# KiCad board omodri_laas.kicad_pcb (continued)
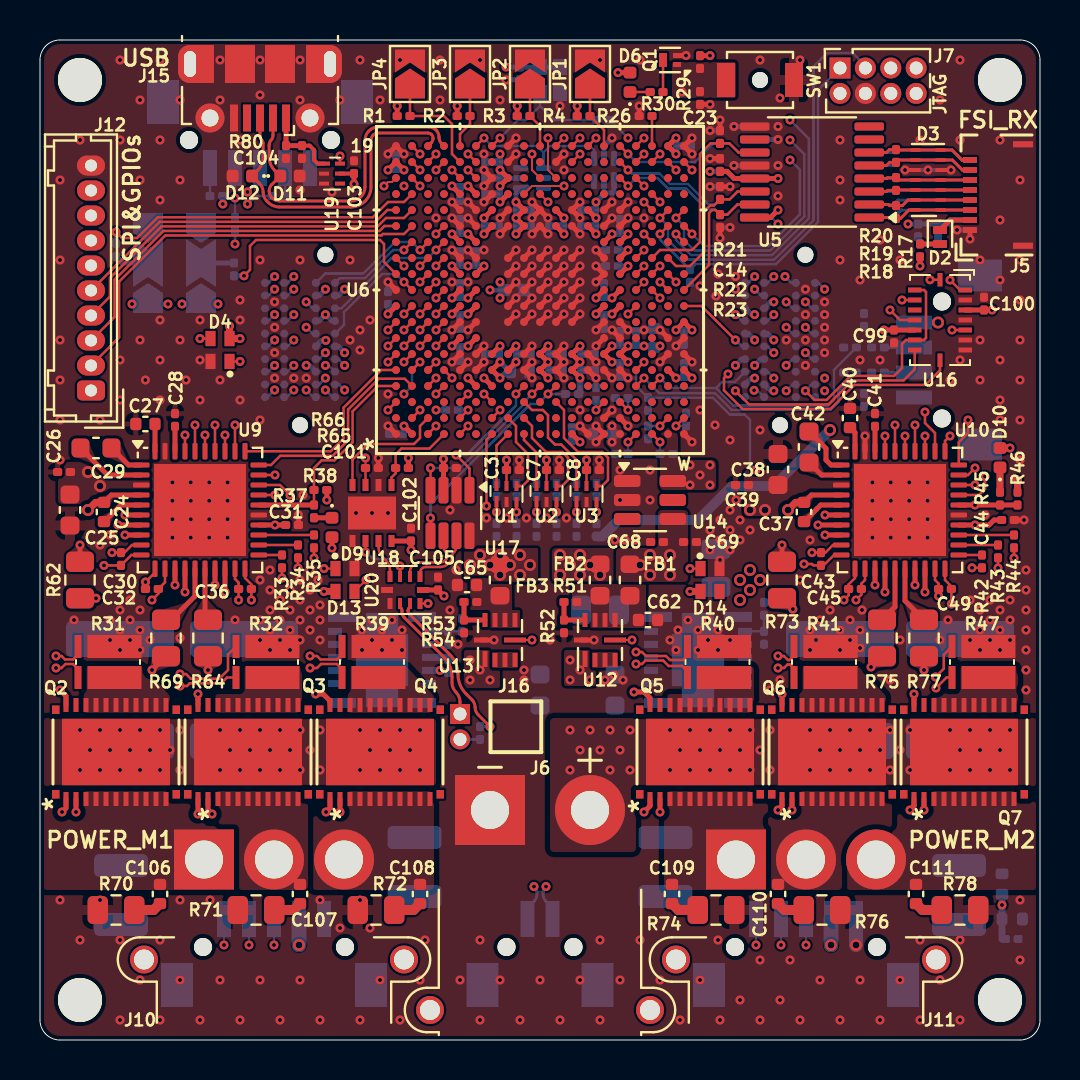
[diagram p0: board, top side]
## Library data of the parts (continued)
J16 = -: Description: Generic connector, single row, 01x02, script generated (kicad-library-utils/schlib/autogen/connector/); DigiKey: SAM12200-ND; Farnell: 3662449; LCSC: C6885801; Mouser: 200-TMS10202GSRA; Part No: TMS-102-02-G-S-RA; RS: 1982925; ki_fp_filters: Connector*:*_1x??_*
JP1-JP4 = -: Description: Solder Jumper, 2-pole, open; ki_fp_filters: SolderJumper*Open*
JP5 JP6 = -: Description: Solder Jumper, 3-pole, open; ki_fp_filters: SolderJumper*Open*
Q1 = -: Datasheet: https://assets.nexperia.com/documents/data-sheet/NX7002BKM.pdf; Description: 60 V, N-channel MOSFET in DFN1006-3 SMD package.; DigiKey: 1727-2232-1-ND; Farnell: 2498574; LCSC: C551611; Mouser: 771-NX7002BKMYL; Part No: NX7002BKMYL
Q2-Q7 = -: Datasheet: https://www.ti.com/lit/ds/symlink/csd88599q5dc.pdf; Description: 60V, 40A Half-Bridge FET Power Block; DigiKey: 296-48289-1-ND; LCSC: C2871380; Mouser: 595-CSD88599Q5DC; ki_fp_filters: DMM0022A
R1-R4 R14-R16 R21-R23 R26 R28 R29 R36 R38 R46 R48 R57 R59-R61 R65 R66 R79 = -: Description: Resistor; DigiKey: P122414CT-ND; Farnell: 2302362; LCSC: C9900024792; Mouser: 667-ERJ-1GNF1002C; Part No: ERJ-1GNF1002C; RS: 176-3597; ki_fp_filters: R_*
R5 R6 R27 R30 R33-R35 R42-R44 R55 R56 R63 = -: Description: Resistor; DigiKey: P122692CT-ND; Farnell: 2396857; Mouser: 667-ERJ-1GNF1200C; Part No: ERJ-1GNF1200C; ki_fp_filters: R_*
R7-R12 R17 R37 R45 = -: Description: Resistor; DigiKey: P122413CT-ND; Farnell: 2302336; LCSC: C717001; Mouser: 667-ERJ-1GNF1001C; Part No: ERJ-1GNF1001C; RS: 179-7127; ki_fp_filters: R_*
R13 R49 R51 R53 R54 R80 = -: Description: Resistor; DigiKey: P122655CT-ND; Farnell: 2302389; Mouser: 667-ERJ-1GNF1003C; Part No: ERJ-1GNF1003C; RS: 179-7130; ki_fp_filters: R_*
R18-R20 = -: Description: Resistor; DigiKey: P122654CT-ND; Farnell: 2302309; LCSC: C2075067; Mouser: 667-ERJ-1GNF1000C; Part No: ERJ-1GNF1000C; RS: 179-7123; ki_fp_filters: R_*
R24 = -: Description: Resistor; DigiKey: P100KLCT-ND; Farnell: 2302839; Mouser: 667-ERJ-2RKF1003X; Part No: ERJ-2RKF1003X; RS: 732-5255; Rated Voltage: 50; ki_fp_filters: R_*
R25 = -: Description: Resistor; DigiKey: P5.10KLCT-ND; Farnell: 2302709; LCSC: C278598; Mouser: 667-ERJ-2RKF5101X; Part No: ERJ-2RKF5101X; RS: 732-5536; Rated Voltage: 50; ki_fp_filters: R_*
R31 R32 R39-R41 R47 = -: Description: Shunt resistor; DigiKey: FC4L32R005FER-ND; Farnell: 2420555; Mouser: 588-FC4L32R005FER; Part No: FC4L32R005FER; RS: 126-0360; LCSC: C3971241; ki_fp_filters: R_*Shunt*
R50 = -: Description: Resistor; DigiKey: P122865TR-ND; Farnell: 3335222; LCSC: C4245245; Mouser: 667-ERJ-1GNF2491C; Part No: ERJ-1GNF2491C; ki_fp_filters: R_*
R52 = -: Description: Resistor; DigiKey: P122837CT-ND; Farnell: 3335196; LCSC: C4014639; Mouser: 667-ERJ-1GNF2212C; Part No: ERJ-1GNF2212C; ki_fp_filters: R_*
R58 = -: Description: Resistor; DigiKey: P123194TR-ND; Farnell: 3303125; LCSC: C2074977; Mouser: 667-ERJ-1GNF9090C; Part No: ERJ-1GNF9090C; ki_fp_filters: R_*
R62 R64 R69 R73 R75 R77 = -: Description: Resistor; DigiKey: 10-ERJ-P06J4R7VCT-ND; Farnell: 4014627; Mouser: 667-ERJ-P06J4R7V; Part No: ERJP06J4R7V; RS: 895-2580; ki_fp_filters: R_*
R67 R68 = -: Description: Resistor; DigiKey: P123219CT-ND; Farnell: 3303146; LCSC: C2073782; Mouser: 667-ERJ-1GNJ100C; Part No: ERJ1GNJ100C; ki_fp_filters: R_*
R70-R72 R74 R76 R78 = -: Description: Resistor; DigiKey: 10-ERJ-P06J2R2VCT-ND; Farnell: 1750718; Mouser: 667-ERJ-P06J2R2V; Part No: ERJP06J2R2V; ki_fp_filters: R_*
SW1 = -: Description: Push button switch, generic, two pins; DigiKey: SW1143TR-ND; Farnell: 1333654; LCSC: C231330; Mouser: 653-B3U-1000P-B
U1-U3 U19 = -: Datasheet: http://www.ti.com/lit/sg/scyt129e/scyt129e.pdf; Description: Dual Buffer, Schmitt Triggered, Low-Voltage CMOS; DigiKey: 296-34875-1-ND; LCSC: C2675856; Mouser: 595-SN74LVC2G17DRYR; Part No: SN74LVC2G17DRYR; ki_fp_filters: SG-* SOT*
U4 = -: Datasheet: https://www.ti.com/lit/ds/symlink/dslvds1047.pdf; Description: 3.3V LVDS Quad Channel High-Speed Differential Line Driver; DigiKey: 296-50740-1-ND; LCSC: C2671205; Mouser: 595-DSLVDS1047PWR; Part No: DSLVDS1047PWR; ki_fp_filters: PW0016A_N PW0016A_M PW0016A_L
U5 = -: Datasheet: https://www.ti.com/lit/ds/symlink/dslvds1048.pdf; Description: 3.3V LVDS Quad Channel High-Speed Differential Line Receiver; DigiKey: 296-51106-1-ND; LCSC: C2671655; Mouser: 595-DSLVDS1048PWR; Part No: DSLVDS1048PWR; ki_fp_filters: PW0016A_N PW0016A_M PW0016A_L
U6 = -: Datasheet: https://www.ti.com/lit/ds/symlink/tms320f28388d.pdf; Description: C2000™ 32-bit MCU with connectivity manager, 2x C28x+CLA CPU, 1.5-MB flash, FPU64, CLB, ENET, EtherCAT; DigiKey: 296-F28388DZWTS-ND; LCSC: C2879671; Mouser: 595-F28388DZWTS; Part No: F28388DZWTS; ki_fp_filters: BGA_DZWTS_TEX
U7 = -: Datasheet: https://www.ti.com/lit/ds/symlink/tps3703.pdf; Description: High Accuracy Overvoltage and Undervoltage Reset IC With Time Delay and Manual Reset; DigiKey: 296-TPS3703A7330DSERQ1CT-ND; LCSC: C1849519; Mouser: 595-S3703A7330DSERQ1; Part No: TPS3703A7330DSERQ1
U8 = -: Datasheet: https://www.ti.com/lit/ds/symlink/tps3703.pdf; Description: High Accuracy Overvoltage and Undervoltage Reset IC With Time Delay and Manual Reset; DigiKey: 296-TPS3703A7120DSERQ1CT-ND; LCSC: C1849508; Mouser: 595-S3703A7120DSERQ1; Part No: TPS3703A7120DSERQ1
U9 U10 = -: Datasheet: https://www.ti.com/lit/ds/symlink/drv8353.pdf; Description: Three-Phase Smart Gate Driver; DigiKey: 296-DRV8353SRTATCT-ND; Mouser: 595-DRV8353SRTAR; Part No: DRV8353SRTAR
U11 = -: Datasheet: https://www.ti.com/lit/ds/symlink/tpsm5601r5.pdf; DigiKey: 296-TPSM5601R5SRDARCT-ND; Mouser: 595-TPSM5601R5SRDAR; Part No: TPSM5601R5SRDAR
U12 U13 = -: Datasheet: https://www.monolithicpower.com/en/documentview/productdocument/index/version/2/document_type/Datasheet/lang/en/sku/MPM3804GG/document_id/2122/; Description: 2.3V to 5.5V, 0.6A, Step-Down Converter /w Integrated Inductor in Ultra-Small 2x2x0.9mm QFN Package; DigiKey: 1589-1982-1-ND; Farnell: 3358188; LCSC: C5799646; Mouser: 946-MPM3804GG-Z
U14 = -: Datasheet: https://www.analog.com/media/en/technical-documentation/data-sheets/lt6654.pdf; Description: Precision voltage reference, 10mA output, 3.5V to 36V input, 10ppm/C drift, 3.0V output, SOT23-6; DigiKey: LT6654AIS6-3#TRMPBFCT-ND; Farnell: 2761957; LCSC: C673261; Mouser: 584-6654AIS63TRMPBF; Part No: LT6654AIS6-3#TRMPBF; ki_fp_filters: MSOP*3x3mm*P0.65mm*
U15 = -: Datasheet: https://www.ti.com/lit/ds/symlink/tpsm560r6h.pdf; DigiKey: 296-TPSM560R6HRDARCT-ND; Mouser: 595-TPSM560R6HRDAR; Part No: TPSM560R6HRDAR
U16 = -: Datasheet: https://www.bosch-sensortec.com/media/boschsensortec/downloads/datasheets/bst-bmi088-ds001.pdf; DigiKey: 828-1082-2-ND; LCSC: C194919; Mouser: 262-BMI088
U17 = -: Datasheet: https://www.ti.com/lit/ds/symlink/tcan3414.pdf; Description: High-Speed CAN Transceiver with CAN FD, 8Mbps, 3.3V supply, standby mode, shutdown mode, SOT-23-8/SOIC-8; DigiKey: 296-TCAN3414DDFRCT-ND; Part No: TCAN3414DDFR; Mouser: 595-TCAN3414DDFR; ki_fp_filters: *TSOT?23* *SOIC*3.9x4.9mm*P1.27mm*
U18 = -: Datasheet: https://www.ti.com/lit/ds/symlink/thvd2450.pdf; Description: ±70-V Fault-Protected, 3.3-V to 5-V supply, RS-485 Transceivers With IEC ESD; DigiKey: 296-THVD2450DRBRTR-ND; LCSC: C2878080; Mouser: 595-THVD2450DRBR; Part No: THVD2450DRBR
U20 = -: Datasheet: https://www.ti.com/lit/ds/symlink/ts3usb221.pdf; Description: High-Speed USB 2.0 (480 Mbps) 1:2 Multiplexer/Demultiplexer Switch With Single Enable; DigiKey: 296-25222-1-ND; Farnell: 3124910; LCSC: C129313; Mouser: 595-TS3USB221ERSER; Part No: TS3USB221ERSER; RS: 817-5575
X1 = -: Datasheet: https://ecsxtal.com/store/pdf/ECS-TXO-2016.pdf; Description: TCXO Oscillators 25MHz, 3.3V, HCMOS, 2.5ppm, in 2.0 x 1.6 x 0.9mm ceramic package; DigiKey: XC3163TR-ND; Farnell: 4059413; LCSC: C2451474; Mouser: 520-TXO-2016-33-250T; Part No: ECS-TXO-2016-33-250-TR

## Footprints (pads in the part's own frame, mm; a bottom-side part is the same pattern mirrored in y, then rotated)
ADF6-10-XX.X-XXX-4-X-A-XR
  round 0.8 hole 0.8 unplated: (-4.26,0) (4.26,1.27)
  round 0.4 smd: A01(2.857,-1.75) A02(2.223,-1.75) A03(1.587,-1.75) A04(0.953,-1.75) A05(0.318,-1.75) A06(-0.318,-1.75) A07(-0.953,-1.75) A08(-1.587,-1.75) A09(-2.223,-1.75) A10(-2.857,-1.75) B01(2.857,-0.79) B02(2.223,-0.79) B03(1.587,-0.79) B04(0.953,-0.79) B05(0.318,-0.79) B06(-0.318,-0.79) B07(-0.953,-0.79) B08(-1.587,-0.79) B09(-2.223,-0.79) B10(-2.857,-0.79) C01(2.857,0.79) C02(2.223,0.79) C03(1.587,0.79) C04(0.953,0.79) C05(0.318,0.79) C06(-0.318,0.79) C07(-0.953,0.79) C08(-1.587,0.79) C09(-2.223,0.79) C10(-2.857,0.79) D01(2.857,1.75) D02(2.223,1.75) D03(1.587,1.75) D04(0.953,1.75) D05(0.318,1.75) D06(-0.318,1.75) D07(-0.953,1.75) D08(-1.587,1.75) D09(-2.223,1.75) D10(-2.857,1.75)
AMASS_MR30PW-FB_1x03_P3.50mm_Horizontal
  round 1.4 hole 1: (-6.5,5) (6.5,5)
  rect 3x3 hole 1.9: 1(3.5,0)
  round 3 hole 1.9: 2(0,0) 3(-3.5,0)
AMASS_XT30PW-M_1x02_P2.50mm_Horizontal
  round 1.4 hole 1: (-5.5,10) (5.5,10)
  rect 3.5x3.5 hole 1.9: 1(2.5,0)
  round 3.5 hole 1.9: 2(-2.5,0)
B3QFN_15
  rect 1.4x0.5 smd: 1(-2,2.145) 7(-2,-2.155) 8(2,-2.155) 14(2,2.145)
  rect 0.7x0.35 smd: 2(-2.35,1.17) 3(-2.35,0.52) 4(-2.35,-0.13) 5(-2.35,-0.78) 6(-2.35,-1.43) 9(2.35,-1.43) 10(2.35,-0.78) 11(2.35,-0.13) 12(2.35,0.52) 13(2.35,1.17)
  custom 2.62x4.72 smd: 15(0,0)
Bosch_LGA-16_4.5x3.0mm_P0.5mm
  rect 0.675x0.25 smd: 1(1.262,1.5) 2(1.262,1) 3(1.262,0.5) 4(1.262,0) 5(1.262,-0.5) 6(1.262,-1) 7(1.262,-1.5) 9(-1.262,-1.5) 10(-1.262,-1) 11(-1.262,-0.5) 12(-1.262,0) 13(-1.262,0.5) 14(-1.262,1) 15(-1.262,1.5)
  rect 0.25x0.675 smd: 8(0,-2.013) 16(0,2.013)
C_0201_0603Metric
  rrect 0.318x0.36 smd: (-0.345,0) (0.345,0)
  rrect 0.46x0.4 smd: 1(-0.32,0) 2(0.32,0)
C_0402_1005Metric
  rrect 0.56x0.62 smd: 1(-0.48,0) 2(0.48,0)
C_0603_1608Metric
  rrect 0.9x0.95 smd: 1(-0.775,0) 2(0.775,0)
C_0805_2012Metric
  rrect 1x1.45 smd: 1(-0.95,0) 2(0.95,0)
C_1210_3225Metric
  rrect 1.15x2.7 smd: 1(-1.475,0) 2(1.475,0)
C_2220_5750Metric
  rrect 1.8x5.4 smd: 1(-2.55,0) 2(2.55,0)
D_0201_0603Metric
  rrect 0.318x0.36 smd: (-0.345,0) (0.345,0)
  rrect 0.46x0.4 smd: 1(-0.32,0) 2(0.32,0)
D_0402_1005Metric
  rrect 0.59x0.64 smd: 1(-0.485,0) 2(0.485,0)
D_SOD-882
  rrect 0.3x0.6 smd: (-0.35,0) (0.35,0)
  rrect 0.4x0.7 smd: 1(-0.35,0) 2(0.35,0)
Diodes_DFN1006-3
  rect 0.4x0.25 smd: 1(-0.35,0.225) 2(-0.35,-0.225)
  rect 0.4x0.7 smd: 3(0.35,0)
FC4L32
  rect 1.15x2.7 smd: 1(-0.775,-0.325) 4(0.775,-0.325)
  rect 1.15x0.35 smd: 2(-0.775,1.5) 3(0.775,1.5)
Hirose_DF13-10P-1.25DSA_1x10_P1.25mm_Vertical
  rrect 1x1.4 hole 0.6: 1(0,0)
  oval 1x1.4 hole 0.6: 2(1.25,0) 3(2.5,0) 4(3.75,0) 5(5,0) 6(6.25,0) 7(7.5,0) 8(8.75,0) 9(10,0) 10(11.25,0)
Hirose_DF13_02P-1.25H_1x02_P1.25mm_Right_angle
  round 0.9 hole 0.9 unplated: (-1.675,-1.9) (1.675,-1.9)
  rect 0.7x1.8 smd: 1(-0.625,-3.3) 2(0.625,-3.3)
  rect 1.6x2.2 smd: MP1(-2.875,0) MP2(2.875,0)
Hirose_DF13_04P-1.25H_1x04_P1.25mm_Right_angle
  round 0.9 hole 0.9 unplated: (-2.925,-1.9) (2.925,-1.9)
  rect 0.7x1.8 smd: 1(-1.875,-3.3) 2(-0.625,-3.3) 3(0.625,-3.3) 4(1.875,-3.3)
  rect 1.6x2.2 smd: MP1(-4.225,0) MP2(4.225,0)
Hirose_DF13_05P-1.25H_1x05_P1.25mm_Right_angle
  round 0.9 hole 0.9 unplated: (-3.55,-1.9) (3.55,-1.9)
  rect 0.7x1.8 smd: 1(-2.5,-3.3) 2(-1.25,-3.3) 3(0,-3.3) 4(1.25,-3.3) 5(2.5,-3.3)
  rect 1.6x2.2 smd: MP1(-4.85,0) MP2(4.85,0)
L_0603_1608Metric
  rrect 0.875x0.95 smd: 1(-0.787,0) 2(0.787,0)
LED_0402_1005Metric
  rrect 0.59x0.64 smd: 1(-0.485,0) 2(0.485,0)
Molex_FBH1_1x08-2MP_P0.50mm_Horizontal
  rect 0.3x0.7 smd: 1(-1.75,3.3) 2(-1.25,3.3) 3(-0.75,3.3) 4(-0.25,3.3) 5(0.25,3.3) 6(0.75,3.3) 7(1.25,3.3) 8(1.75,3.3)
  rect 0.3x1 smd: MP1(-2.54,0.65) MP2(2.54,0.65)
MountingHole_2.2mm_M2
  round 2.2 hole 2.2 unplated: (0,0)
NeoPixel_SK6805_1.5x1.5mm
  rect 0.762x0.508 smd: 1(-0.572,-0.475) 2(0.572,-0.475) 3(0.572,0.475) 4(-0.572,0.475)
NFBGA_337
  round 0.4 smd: A1(-7.2,7.2) A2(-6.4,7.2) A3(-5.6,7.2) A4(-4.8,7.2) A5(-4,7.2) A6(-3.2,7.2) A7(-2.4,7.2) A8(-1.6,7.2) A9(-0.8,7.2) A10(0,7.2) A11(0.8,7.2) A12(1.6,7.2) A13(2.4,7.2) A14(3.2,7.2) A15(4,7.2) A16(4.8,7.2) A17(5.6,7.2) A18(6.4,7.2) A19(7.2,7.2) B1(-7.2,6.4) B2(-6.4,6.4) B3(-5.6,6.4) B4(-4.8,6.4) B5(-4,6.4) B6(-3.2,6.4) B7(-2.4,6.4) B8(-1.6,6.4) B9(-0.8,6.4) B10(0,6.4) B11(0.8,6.4) B12(1.6,6.4) B13(2.4,6.4) B14(3.2,6.4) B15(4,6.4) B16(4.8,6.4) B17(5.6,6.4) B18(6.4,6.4) B19(7.2,6.4) C1(-7.2,5.6) C2(-6.4,5.6) C3(-5.6,5.6) C4(-4.8,5.6) C5(-4,5.6) C6(-3.2,5.6) C7(-2.4,5.6) C8(-1.6,5.6) C9(-0.8,5.6) C10(0,5.6) C11(0.8,5.6) C12(1.6,5.6) C13(2.4,5.6) C14(3.2,5.6) C15(4,5.6) C16(4.8,5.6) C17(5.6,5.6) C18(6.4,5.6) C19(7.2,5.6) D1(-7.2,4.8) D2(-6.4,4.8) D3(-5.6,4.8) D4(-4.8,4.8) D5(-4,4.8) D6(-3.2,4.8) D7(-2.4,4.8) D8(-1.6,4.8) D9(-0.8,4.8) D10(0,4.8) D11(0.8,4.8) D12(1.6,4.8) D13(2.4,4.8) D14(3.2,4.8) D15(4,4.8) D16(4.8,4.8) D17(5.6,4.8) D18(6.4,4.8) D19(7.2,4.8) E1(-7.2,4) E2(-6.4,4) E3(-5.6,4) E4(-4.8,4) E5(-4,4) E6(-3.2,4) E7(-2.4,4) E8(-1.6,4) E9(-0.8,4) E10(0,4) E11(0.8,4) E12(1.6,4) E13(2.4,4) E14(3.2,4) E15(4,4) E16(4.8,4) E17(5.6,4) E18(6.4,4) E19(7.2,4) F1(-7.2,3.2) F2(-6.4,3.2) F3(-5.6,3.2) F4(-4.8,3.2) F5(-4,3.2) F6(-3.2,3.2) F7(-2.4,3.2) F8(-1.6,3.2) F9(-0.8,3.2) F10(0,3.2) F11(0.8,3.2) F12(1.6,3.2) F13(2.4,3.2) F14(3.2,3.2) F15(4,3.2) F16(4.8,3.2) F17(5.6,3.2) F18(6.4,3.2) F19(7.2,3.2) G1(-7.2,2.4) G2(-6.4,2.4) G3(-5.6,2.4) G4(-4.8,2.4) G5(-4,2.4) G6(-3.2,2.4) G14(3.2,2.4) G15(4,2.4) G16(4.8,2.4) G17(5.6,2.4) G18(6.4,2.4) G19(7.2,2.4) H1(-7.2,1.6) H2(-6.4,1.6) H3(-5.6,1.6) H4(-4.8,1.6) H5(-4,1.6) H6(-3.2,1.6) H8(-1.6,1.6) H9(-0.8,1.6) H10(0,1.6) H11(0.8,1.6) H12(1.6,1.6) H14(3.2,1.6) H15(4,1.6) H16(4.8,1.6) H17(5.6,1.6) H18(6.4,1.6) H19(7.2,1.6) J1(-7.2,0.8) J2(-6.4,0.8) J3(-5.6,0.8) J4(-4.8,0.8) J5(-4,0.8) J6(-3.2,0.8) J8(-1.6,0.8) J9(-0.8,0.8) J10(0,0.8) J11(0.8,0.8) J12(1.6,0.8) J14(3.2,0.8) J15(4,0.8) J16(4.8,0.8) J17(5.6,0.8) J18(6.4,0.8) J19(7.2,0.8) K1(-7.2,0) K2(-6.4,0) K3(-5.6,0) K4(-4.8,0) K5(-4,0) K6(-3.2,0) K8(-1.6,0) K9(-0.8,0) K10(0,0) K11(0.8,0) K12(1.6,0) K14(3.2,0) K15(4,0) K16(4.8,0) K17(5.6,0) K18(6.4,0) K19(7.2,0) L1(-7.2,-0.8) L2(-6.4,-0.8) L3(-5.6,-0.8) L4(-4.8,-0.8) L5(-4,-0.8) L6(-3.2,-0.8) L8(-1.6,-0.8) L9(-0.8,-0.8) L10(0,-0.8) L11(0.8,-0.8) L12(1.6,-0.8) L14(3.2,-0.8) L15(4,-0.8) L16(4.8,-0.8) L17(5.6,-0.8) L18(6.4,-0.8) L19(7.2,-0.8) M1(-7.2,-1.6) M2(-6.4,-1.6) M3(-5.6,-1.6) M4(-4.8,-1.6) M5(-4,-1.6) M6(-3.2,-1.6) M8(-1.6,-1.6) M9(-0.8,-1.6) M10(0,-1.6) M11(0.8,-1.6) M12(1.6,-1.6) M14(3.2,-1.6) M15(4,-1.6) M16(4.8,-1.6) M17(5.6,-1.6) M18(6.4,-1.6) M19(7.2,-1.6) N1(-7.2,-2.4) N2(-6.4,-2.4) N3(-5.6,-2.4) N4(-4.8,-2.4) N5(-4,-2.4) N6(-3.2,-2.4) N14(3.2,-2.4) N15(4,-2.4) N16(4.8,-2.4) N17(5.6,-2.4) N18(6.4,-2.4) N19(7.2,-2.4) P1(-7.2,-3.2) P2(-6.4,-3.2) P3(-5.6,-3.2) P4(-4.8,-3.2) P5(-4,-3.2) P6(-3.2,-3.2) P7(-2.4,-3.2) P8(-1.6,-3.2) P9(-0.8,-3.2) P10(0,-3.2) P11(0.8,-3.2) P12(1.6,-3.2) P13(2.4,-3.2) P14(3.2,-3.2) P15(4,-3.2) P16(4.8,-3.2) P17(5.6,-3.2) P18(6.4,-3.2) P19(7.2,-3.2) R1(-7.2,-4) R2(-6.4,-4) R3(-5.6,-4) R4(-4.8,-4) R5(-4,-4) R6(-3.2,-4) R7(-2.4,-4) R8(-1.6,-4) R9(-0.8,-4) R10(0,-4) R11(0.8,-4) R12(1.6,-4) R13(2.4,-4) R14(3.2,-4) R15(4,-4) R16(4.8,-4) R17(5.6,-4) R18(6.4,-4) R19(7.2,-4) T1(-7.2,-4.8) T2(-6.4,-4.8) T3(-5.6,-4.8) T4(-4.8,-4.8) T5(-4,-4.8) T6(-3.2,-4.8) T7(-2.4,-4.8) T8(-1.6,-4.8) T9(-0.8,-4.8) T10(0,-4.8) T11(0.8,-4.8) T12(1.6,-4.8) T13(2.4,-4.8) T14(3.2,-4.8) T15(4,-4.8) T16(4.8,-4.8) T17(5.6,-4.8) T18(6.4,-4.8) T19(7.2,-4.8) U1(-7.2,-5.6) U2(-6.4,-5.6) U3(-5.6,-5.6) U4(-4.8,-5.6) U5(-4,-5.6) U6(-3.2,-5.6) U7(-2.4,-5.6) U8(-1.6,-5.6) U9(-0.8,-5.6) U10(0,-5.6) U11(0.8,-5.6) U12(1.6,-5.6) U13(2.4,-5.6) U14(3.2,-5.6) U15(4,-5.6) U16(4.8,-5.6) U17(5.6,-5.6) U18(6.4,-5.6) U19(7.2,-5.6) V1(-7.2,-6.4) V2(-6.4,-6.4) V3(-5.6,-6.4) V4(-4.8,-6.4) V5(-4,-6.4) V6(-3.2,-6.4) V7(-2.4,-6.4) V8(-1.6,-6.4) V9(-0.8,-6.4) V10(0,-6.4) V11(0.8,-6.4) V12(1.6,-6.4) V13(2.4,-6.4) V14(3.2,-6.4) V15(4,-6.4) V16(4.8,-6.4) V17(5.6,-6.4) V18(6.4,-6.4) V19(7.2,-6.4) W1(-7.2,-7.2) W2(-6.4,-7.2) W3(-5.6,-7.2) W4(-4.8,-7.2) W5(-4,-7.2) W6(-3.2,-7.2) W7(-2.4,-7.2) W8(-1.6,-7.2) W9(-0.8,-7.2) W10(0,-7.2) W11(0.8,-7.2) W12(1.6,-7.2) W13(2.4,-7.2) W14(3.2,-7.2) W15(4,-7.2) W16(4.8,-7.2) W17(5.6,-7.2) W18(6.4,-7.2) W19(7.2,-7.2)
PinSocket_2x04_P1.27mm_Vertical
  rect 1.05x1.05 hole 0.65: 1(0,0)
  oval 1.05x1.05 hole 0.65: 2(-1.27,0) 3(0,-1.27) 4(-1.27,-1.27) 5(0,-2.54) 6(-1.27,-2.54) 7(0,-3.81) 8(-1.27,-3.81)
QFN-10_2x2mm_P0.5mm
  rect 0.8x0.25 smd: 1(-0.95,0.75)
  rect 0.7x0.25 smd: 2(-1,0.25) 3(-1,-0.25) 4(-1,-0.75) 6(1,-0.75) 7(1,-0.25) 8(1,0.25) 9(1,0.75)
  rect 0.25x1.1 smd: 5(0,-0.75)
  rect 0.25x0.7 smd: 10(0,0.95)
QFN-40-1EP_6x6mm_P0.5mm_EP4.6x4.6mm
  rrect 0.93x0.93 smd: (-1.725,1.725) (-1.725,0.575) (-1.725,-0.575) (-1.725,-1.725) (-0.575,1.725) (-0.575,0.575) (-0.575,-0.575) (-0.575,-1.725) (0.575,1.725) (0.575,0.575) (0.575,-0.575) (0.575,-1.725) (1.725,1.725) (1.725,0.575) (1.725,-0.575) (1.725,-1.725)
  rrect 0.825x0.25 smd: 1(-2.938,2.25) 2(-2.938,1.75) 3(-2.938,1.25) 4(-2.938,0.75) 5(-2.938,0.25) 6(-2.938,-0.25) 7(-2.938,-0.75) 8(-2.938,-1.25) 9(-2.938,-1.75) 10(-2.938,-2.25) 21(2.938,-2.25) 22(2.938,-1.75) 23(2.938,-1.25) 24(2.938,-0.75) 25(2.938,-0.25) 26(2.938,0.25) 27(2.938,0.75) 28(2.938,1.25) 29(2.938,1.75) 30(2.938,2.25)
  rrect 0.25x0.825 smd: 11(-2.25,-2.938) 12(-1.75,-2.938) 13(-1.25,-2.938) 14(-0.75,-2.938) 15(-0.25,-2.938) 16(0.25,-2.938) 17(0.75,-2.938) 18(1.25,-2.938) 19(1.75,-2.938) 20(2.25,-2.938) 31(2.25,2.938) 32(1.75,2.938) 33(1.25,2.938) 34(0.75,2.938) 35(0.25,2.938) 36(-0.25,2.938) 37(-0.75,2.938) 38(-1.25,2.938) 39(-1.75,2.938) 40(-2.25,2.938)
  rect 4.6x4.6 smd: 41(0,0)
R_0201_0603Metric
  rrect 0.318x0.36 smd: (-0.345,0) (0.345,0)
  rrect 0.46x0.4 smd: 1(-0.32,0) 2(0.32,0)
R_0402_1005Metric
  rrect 0.54x0.64 smd: 1(-0.51,0) 2(0.51,0)
R_0805_2012Metric
  rrect 1.025x1.4 smd: 1(-0.912,0) 2(0.912,0)
SAMTEC_TMS-102-02-G-S-RA
  rect 1x1 hole 0.65: 1(0,0)
  round 1 hole 0.65: 2(1.27,0)
SolderJumper-2_P1.3mm_Open_TrianglePad1.0x1.5mm
  custom 1.5x1.5 smd: 1(-0.725,0)
  custom 1.15x1.5 smd: 2(0.725,0)
SolderJumper-3_P2.0mm_Open_TrianglePad1.0x1.5mm_NumberLabels
  custom 1.5x1.5 smd: 1(-2,0) 3(2,0)
  custom 2.4x1.5 smd: 2(0,0)
SOT886_USON_6_1.45x1.0mm_P0.5mm
  rect 0.55x0.2 smd: 1(-0.375,0.5)
  rect 0.5x0.2 smd: 2(-0.4,0) 3(-0.4,-0.5) 4(0.4,-0.5) 5(0.4,0) 6(0.4,0.5)
SOT-23-8
  rrect 1.325x0.5 smd: 1(-1.137,0.975) 2(-1.137,0.325) 3(-1.137,-0.325) 4(-1.137,-0.975) 5(1.137,-0.975) 6(1.137,-0.325) 7(1.137,0.325) 8(1.137,0.975)
SW_SPST_B3U-1000P-B
  round 0.8 hole 0.8 unplated: (0,0)
  rect 0.9x1.7 smd: 1(-1.7,0) 2(1.7,0)
TCXO_SMD_Ecs_TXO-2016-4Pin_2.0x1.6mm
  rect 0.8x0.7 smd: 1(-0.65,-0.5) 2(0.65,-0.5) 3(0.65,0.5) 4(-0.65,0.5)
TSOT-23-6
  rrect 1.325x0.6 smd: 1(-1.137,0.95) 2(-1.137,0) 3(-1.137,-0.95) 4(1.137,-0.95) 5(1.137,0) 6(1.137,0.95)
TSSOP-16_4.4x5mm_P0.65mm
  rrect 1.475x0.4 smd: 1(-2.862,2.275) 2(-2.862,1.625) 3(-2.862,0.975) 4(-2.862,0.325) 5(-2.862,-0.325) 6(-2.862,-0.975) 7(-2.862,-1.625) 8(-2.862,-2.275) 9(2.862,-2.275) 10(2.862,-1.625) 11(2.862,-0.975) 12(2.862,-0.325) 13(2.862,0.325) 14(2.862,0.975) 15(2.862,1.625) 16(2.862,2.275)
UQFN-10_1.5x2mm_P0.5mm
  rect 0.55x0.25 smd: 1(-0.675,0.75) 4(-0.675,-0.75) 6(0.675,-0.75) 9(0.675,0.75)
  rect 0.55x0.2 smd: 2(-0.675,0.25) 3(-0.675,-0.25) 7(0.675,-0.25) 8(0.675,0.25)
  rect 0.3x0.6 smd: 5(0,-0.9) 10(0,0.9)
USB_Micro-B_Molex-105017-0001
  rect 0.4x1.35 smd: 1(-1.3,1.462) 2(-0.65,1.462) 3(0,1.462) 4(0.65,1.462) 5(1.3,1.462)
  oval 1.2x1.9 hole 0.6x1.3: 6(-3.5,-1.238) 6(3.5,-1.238)
  rect 1.2x1.9 smd: 6(-2.9,-1.238) 6(2.9,-1.238)
  round 1.45 hole 0.85: 6(-2.5,1.462) 6(2.5,1.462)
  rect 1.5x1.9 smd: 6(-1,-1.238) 6(1,-1.238)
USON_14
  rect 0.5x0.2 smd: 1(-0.625,1.5) 2(-0.625,1) 3(-0.625,0.5) 4(-0.625,0) 5(-0.625,-0.5) 6(-0.625,-1) 7(-0.625,-1.5) 8(0.625,-1.5) 9(0.625,-1) 10(0.625,-0.5) 11(0.625,0) 12(0.625,0.5) 13(0.625,1) 14(0.625,1.5)
VSON-8-1EP_3.0x3.0mm_P0.65mm_EP1.65x2.4mm
  rect 0.6x0.3 smd: 1(-1.4,0.975) 2(-1.4,0.325) 3(-1.4,-0.325) 4(-1.4,-0.975) 5(1.4,-0.975) 6(1.4,-0.325) 7(1.4,0.325) 8(1.4,0.975)
  rect 1.65x2.4 smd: 9(0,0)
VSON_CLIP_22
  rect 0.7x0.25 smd: 1(-2.35,2.5) 2(-2.35,2) 3(-2.35,1.5) 4(-2.35,1) 5(-2.35,0.5) 6(-2.35,0) 7(-2.35,-0.5) 8(-2.35,-1) 9(-2.35,-1.5) 10(-2.35,-2) 11(-2.35,-2.5) 12(2.35,-2.5) 13(2.35,-2) 14(2.35,-1.5) 15(2.35,-1) 16(2.35,-0.5) 17(2.35,0) 18(2.35,0.5) 19(2.35,1) 20(2.35,1.5) 21(2.35,2) 22(2.35,2.5)
  rect 0.43x0.375 smd: 23(-2.115,3.013) 24(-2.115,-3.013) 25(2.115,-3.013) 26(2.115,3.013)
  rect 3.3x5.4 smd: 27(0,0)
WSON-6_1.5x1.5mm_P0.5mm
  rrect 0.85x0.28 smd: 1(-0.525,0.5)
  rrect 0.75x0.28 smd: 2(-0.575,0) 3(-0.575,-0.5) 4(0.575,-0.5) 5(0.575,0) 6(0.575,0.5)

## Nets
5V0: C59.1 J2.4 J3.4 J8.C10 J8.D10 R7.1 R8.1 R9.1 R10.1 R11.1 R12.1 R48.1 U11.7 U11.8 U12.1 U13.1
12V0: C25.1 C26.1 C38.1 C39.1 C98.1 R57.1 U9.3 U10.3 U15.7 U15.8
/OMODRI_COM_SPI_USB/VBus: C104.2 J15.1 R80.1 U19.1
/OMODRI_driver_M1/DVDD: C28.1 U9.38
/OMODRI_driver_M2/DVDD: C41.1 U10.38
/Power distribution/OMODRI_Alim_1V2/1V2: C65.1 FB3.1 R53.1 U13.6 U13.7 U13.8
/Power distribution/OMODRI_Alim_3V3/3V3: C62.1 FB1.1 FB2.1 R51.1 U12.6 U12.7 U12.8
/Power distribution/OMODRI_Alim_5V/V5V_5V0: R49.2 U11.11
GND: C1.2 C2.2 C3.2 C4.2 C5.2 C6.2 C7.2 C8.2 C9.2 C10.2 C11.2 C12.2 C13.2 C14.2 C15.2 C16.2 C17.2 C18.2 C19.2 C20.2 C21.2 C22.2 C23.2 C25.2 C26.2 C27.1 C28.2 C31.2 C33.2 C34.2 C35.2 C38.2 C39.2 C40.1 C41.2 C44.2 C46.2 C47.2 C48.2 C50.2 C51.2 C52.2 C53.2 C54.2 C55.2 C56.2 C57.2 C58.2 C59.2 C60.2 C61.2 C62.2 C63.2 C64.2 C65.2 C66.2 C67.2 C68.2 C69.2 C70.2 C71.2 C72.2 C73.2 C74.2 C75.2 C76.2 C77.2 C78.2 C79.2 C80.2 C81.2 C82.2 C83.2 C84.2 C85.2 C86.2 C87.2 C88.2 C89.2 C90.2 C91.2 C92.2 C93.2 C94.2 C95.2 C96.2 C97.2 C98.2 C99.2 C100.2 C101.2 C102.2 C103.2 C104.1 C105.2 D1.5 D1.10 D3.5 D3.10 D4.4 D5.2 D7.2 D8.2 D11.2 D12.2 D13.4 D14.4 J1.1 J1.MP1 J1.MP2 J2.5 J2.MP1 J2.MP2 J3.5 J3.MP1 J3.MP2 J4.8 J4.MP1 J4.MP2 J5.1 J5.MP1 J5.MP2 J6.1 J7.4 J8.C02 J8.C04 J8.C06 J8.C08 J8.D02 J8.D04 J8.D06 J8.D08 J9.A03 J9.A05 J9.A07 J9.A09 J9.B03 J9.B05 J9.B07 J9.B09 J12.10 J13.MP1 J13.MP2 J14.1 J14.MP1 J14.MP2 J15.5 J15.6 JP1.2 JP2.2 JP3.2 JP4.2 JP5.3 JP6.3 Q1.2 R13.2 R14.1 R15.1 R16.1 R21.1 R22.1 R23.1 R25.2 R26.2 R28.2 R31.4 R32.4 R39.4 R40.4 R41.4 R47.4 R50.1 R52.2 R54.2 R55.2 R56.2 R58.1 R66.1 R70.1 R71.1 R72.1 R74.1 R76.1 R78.1 R80.2 SW1.1 U1.2 U2.2 U3.2 U4.5 U4.7 U4.8 U5.9 U5.12 U6.A1 U6.A10 U6.A19 U6.E5 U6.E6 U6.E8 U6.E12 U6.E14 U6.E15 U6.F5 U6.F6 U6.F8 U6.F12 U6.F14 U6.F15 U6.G16 U6.G17 U6.H8 U6.H9 U6.H10 U6.H11 U6.H12 U6.H14 U6.H15 U6.H18 U6.H19 U6.J5 U6.J6 U6.J8 U6.J9 U6.J10 U6.J11 U6.J12 U6.K8 U6.K9 U6.K10 U6.K11 U6.K12 U6.K14 U6.K15 U6.L5 U6.L6 U6.L8 U6.L9 U6.L10 U6.L11 U6.L12 U6.L18 U6.M8 U6.M9 U6.M10 U6.M11 U6.M12 U6.M14 U6.M15 U6.N1 U6.N5 U6.N6 U6.P1 U6.P2 U6.P5 U6.P7 U6.P8 U6.P11 U6.P12 U6.P14 U6.P15 U6.R2 U6.R5 U6.R7 U6.R8 U6.R14 U6.R15 U6.V6 U6.V7 U6.W1 U6.W6 U6.W7 U6.W19 U7.5 U8.5 U9.25 U9.39 U9.41 U10.25 U10.39 U10.41 U11.3 U11.6 U11.10 U11.13 U11.15 U12.10 U13.10 U14.1 U14.2 U15.3 U15.6 U15.10 U15.13 U15.15 U16.2 U16.4 U16.6 U16.7 U17.2 U17.8 U18.2 U18.5 U18.9 U19.2 U19.3 U20.5 U20.6 X1.2
VDD_1V2: C66.1 C67.1 C72.1 C73.1 C74.1 C75.1 C76.1 C77.1 C78.1 FB3.2 R55.1 R56.1 U6.E9 U6.E11 U6.F9 U6.F11 U6.G14 U6.G15 U6.J14 U6.J15 U6.K5 U6.K6 U6.P10 U6.P13 U6.R10 U6.R13 U8.1
VDD_3V3: C3.1 C7.1 C8.1 C13.1 C14.1 C20.1 C21.1 C22.1 C52.1 C53.1 C54.1 C55.1 C60.1 C61.1 C79.1 C80.1 C81.1 C82.1 C83.1 C84.1 C85.1 C86.1 C87.1 C88.1 C89.1 C90.1 C91.1 C92.1 C93.1 C94.1 C99.1 C100.1 C101.1 C102.1 C103.1 C105.1 D4.2 D6.2 D9.2 D10.2 D13.2 D14.2 FB1.2 J7.2 J8.A03 J8.A05 J8.A07 J8.A09 J8.B03 J8.B05 J8.B07 J8.B09 J9.C02 J9.C04 J9.C06 J9.C08 J9.D02 J9.D04 J9.D06 J9.D08 J12.1 JP5.1 JP6.1 R1.1 R2.1 R3.1 R4.1 R17.2 R29.1 R36.2 R38.2 R46.2 R61.1 R65.2 R79.2 U1.5 U2.5 U3.5 U4.4 U5.13 U5.16 U6.A9 U6.A18 U6.B1 U6.E7 U6.E10 U6.E13 U6.E16 U6.F4 U6.F7 U6.F10 U6.F13 U6.F16 U6.G4 U6.G5 U6.G6 U6.H5 U6.H6 U6.H16 U6.H17 U6.L14 U6.L15 U6.M1 U6.M5 U6.M6 U6.N14 U6.N15 U6.P9 U6.R9 U6.R11 U6.R12 U6.V19 U6.W8 U7.1 U7.2 U8.2 U16.3 U16.11 U17.3 U18.8 U19.5 U20.10 X1.1 X1.4
VDDA_3V3: C50.1 C51.1 C63.1 C64.1 C68.1 C69.1 FB2.2 J1.4 U6.P6 U6.R6 U14.4
/analog1: J1.2 R5.2
/analog2: J1.3 R6.2
/JTAG + CLOCK + RESET/25MHz_OSC_SRC: J8.C03 R27.2
/JTAG + CLOCK + RESET/ERRORSTS: R26.1 U6.U19
/JTAG + CLOCK + RESET/F2838x_CLK_25MHz: R27.1 U6.G19 X1.3
/JTAG + CLOCK + RESET/TCK: J7.3 U6.V15
/JTAG + CLOCK + RESET/TDI: J7.7 U6.W13
/JTAG + CLOCK + RESET/TDO: J7.8 U6.W15
/JTAG + CLOCK + RESET/TMS: J7.5 U6.W14
/JTAG + CLOCK + RESET/~{TRSTn}: J7.1 R28.1 U6.V14
/JTAG + CLOCK + RESET/~{XRSn}: C23.1 Q1.1 R29.2 SW1.2 U6.F19 U7.4 U8.4
/OMODRI_CAN_RS485/CAN_FD_N: U17.6 U20.2
/OMODRI_CAN_RS485/CAN_FD_P: U17.7 U20.1
/OMODRI_CAN_RS485/CAN_FD_RX: U6.K4 U17.4
/OMODRI_CAN_RS485/CAN_FD_SHDN: R61.2 U6.L4 U17.5
/OMODRI_CAN_RS485/CAN_FD_TX: U6.J4 U17.1
/OMODRI_CAN_RS485/CAN_RS485_N: J13.2 J16.1 U20.7
/OMODRI_CAN_RS485/CAN_RS485_P: J13.1 R63.1 U20.8
/OMODRI_CAN_RS485/CAN_RS485_SEL: U6.G1 U20.9
/OMODRI_CAN_RS485/RS485_N: U18.7 U20.4
/OMODRI_CAN_RS485/RS485_P: U18.6 U20.3
/OMODRI_CAN_RS485/SCI_RX: R65.1 U6.D1 U18.1
/OMODRI_CAN_RS485/SCI_TX: U6.C2 U18.4
/OMODRI_CAN_RS485/SCI_TX_EN: R66.2 U6.A3 U18.3
/OMODRI_COM_SPI_USB/COM_SIMO: J14.5 R68.1
/OMODRI_COM_SPI_USB/COM_SOMI: J14.2 R67.1
/OMODRI_COM_SPI_USB/COM_SPI_CLK: J14.3 U6.K16
/OMODRI_COM_SPI_USB/COM_SPI_SIMO: R68.2 U6.J16
/OMODRI_COM_SPI_USB/COM_SPI_SOMI: R67.2 U6.L17
/OMODRI_COM_SPI_USB/USB_GPIO_DETECT: U6.B19 U19.6
/OMODRI_COM_SPI_USB/USB_N: D11.1 J15.2 U6.D19
/OMODRI_COM_SPI_USB/USB_P: D12.1 J15.3 U6.C19
/OMODRI_COM_SPI_USB/~{COM_SPI_CSn}: J14.4 R79.1 U6.K17
/OMODRI_driver_M1/CPH: C29.1 U9.2
/OMODRI_driver_M1/CPL: C29.2 U9.1
/OMODRI_driver_M1/GHA: Q2.1 R62.2
/OMODRI_driver_M1/GHA_drv: R62.1 U9.6
/OMODRI_driver_M1/GHB: Q3.1 R69.2
/OMODRI_driver_M1/GHB_drv: R69.1 U9.15
/OMODRI_driver_M1/GHC: Q4.1 R64.2
/OMODRI_driver_M1/GHC_drv: R64.1 U9.16
/OMODRI_driver_M1/GLA: Q2.22 U9.8
/OMODRI_driver_M1/GLB: Q3.22 U9.13
/OMODRI_driver_M1/GLC: Q4.22 U9.18
/OMODRI_driver_M1/MOTOR_CH1: C106.2 J10.1 Q2.3 Q2.4 Q2.5 Q2.6 Q2.7 Q2.8 Q2.9 Q2.10 Q2.11
/OMODRI_driver_M1/MOTOR_CH2: C107.2 J10.2 Q3.3 Q3.4 Q3.5 Q3.6 Q3.7 Q3.8 Q3.9 Q3.10 Q3.11
/OMODRI_driver_M1/MOTOR_CH3: C108.2 J10.3 Q4.3 Q4.4 Q4.5 Q4.6 Q4.7 Q4.8 Q4.9 Q4.10 Q4.11
/OMODRI_driver_M1/OUT_M1_CH1: Q2.12 Q2.13 Q2.14 Q2.15 Q2.16 Q2.17 Q2.18 Q2.19 Q2.20 R31.1
/OMODRI_driver_M1/OUT_M1_CH2: Q3.12 Q3.13 Q3.14 Q3.15 Q3.16 Q3.17 Q3.18 Q3.19 Q3.20 R32.1
/OMODRI_driver_M1/OUT_M1_CH3: Q4.12 Q4.13 Q4.14 Q4.15 Q4.16 Q4.17 Q4.18 Q4.19 Q4.20 R39.1
/OMODRI_driver_M1/SHA: Q2.2 U9.7
/OMODRI_driver_M1/SHB: Q3.2 U9.14
/OMODRI_driver_M1/SHC: Q4.2 U9.17
/OMODRI_driver_M1/SNA: C30.2 R31.3 U9.10
/OMODRI_driver_M1/SNB: C32.2 R32.3 U9.11
/OMODRI_driver_M1/SNC: C36.2 R39.3 U9.20
/OMODRI_driver_M1/SOA_out: R35.2 U9.23
/OMODRI_driver_M1/SOB_out: R34.2 U9.22
/OMODRI_driver_M1/SOC_out: R33.2 U9.21
/OMODRI_driver_M1/SPA: C30.1 R31.2 U9.9
/OMODRI_driver_M1/SPB: C32.1 R32.2 U9.12
/OMODRI_driver_M1/SPC: C36.1 R39.2 U9.19
/OMODRI_driver_M1/VCP_DRV: C24.2 U9.5
/OMODRI_driver_M1/VGLS: C27.2 U9.40
